# Altium PCB Mainboard_V1.0.PcbDoc (part 1 of 4) (continued)
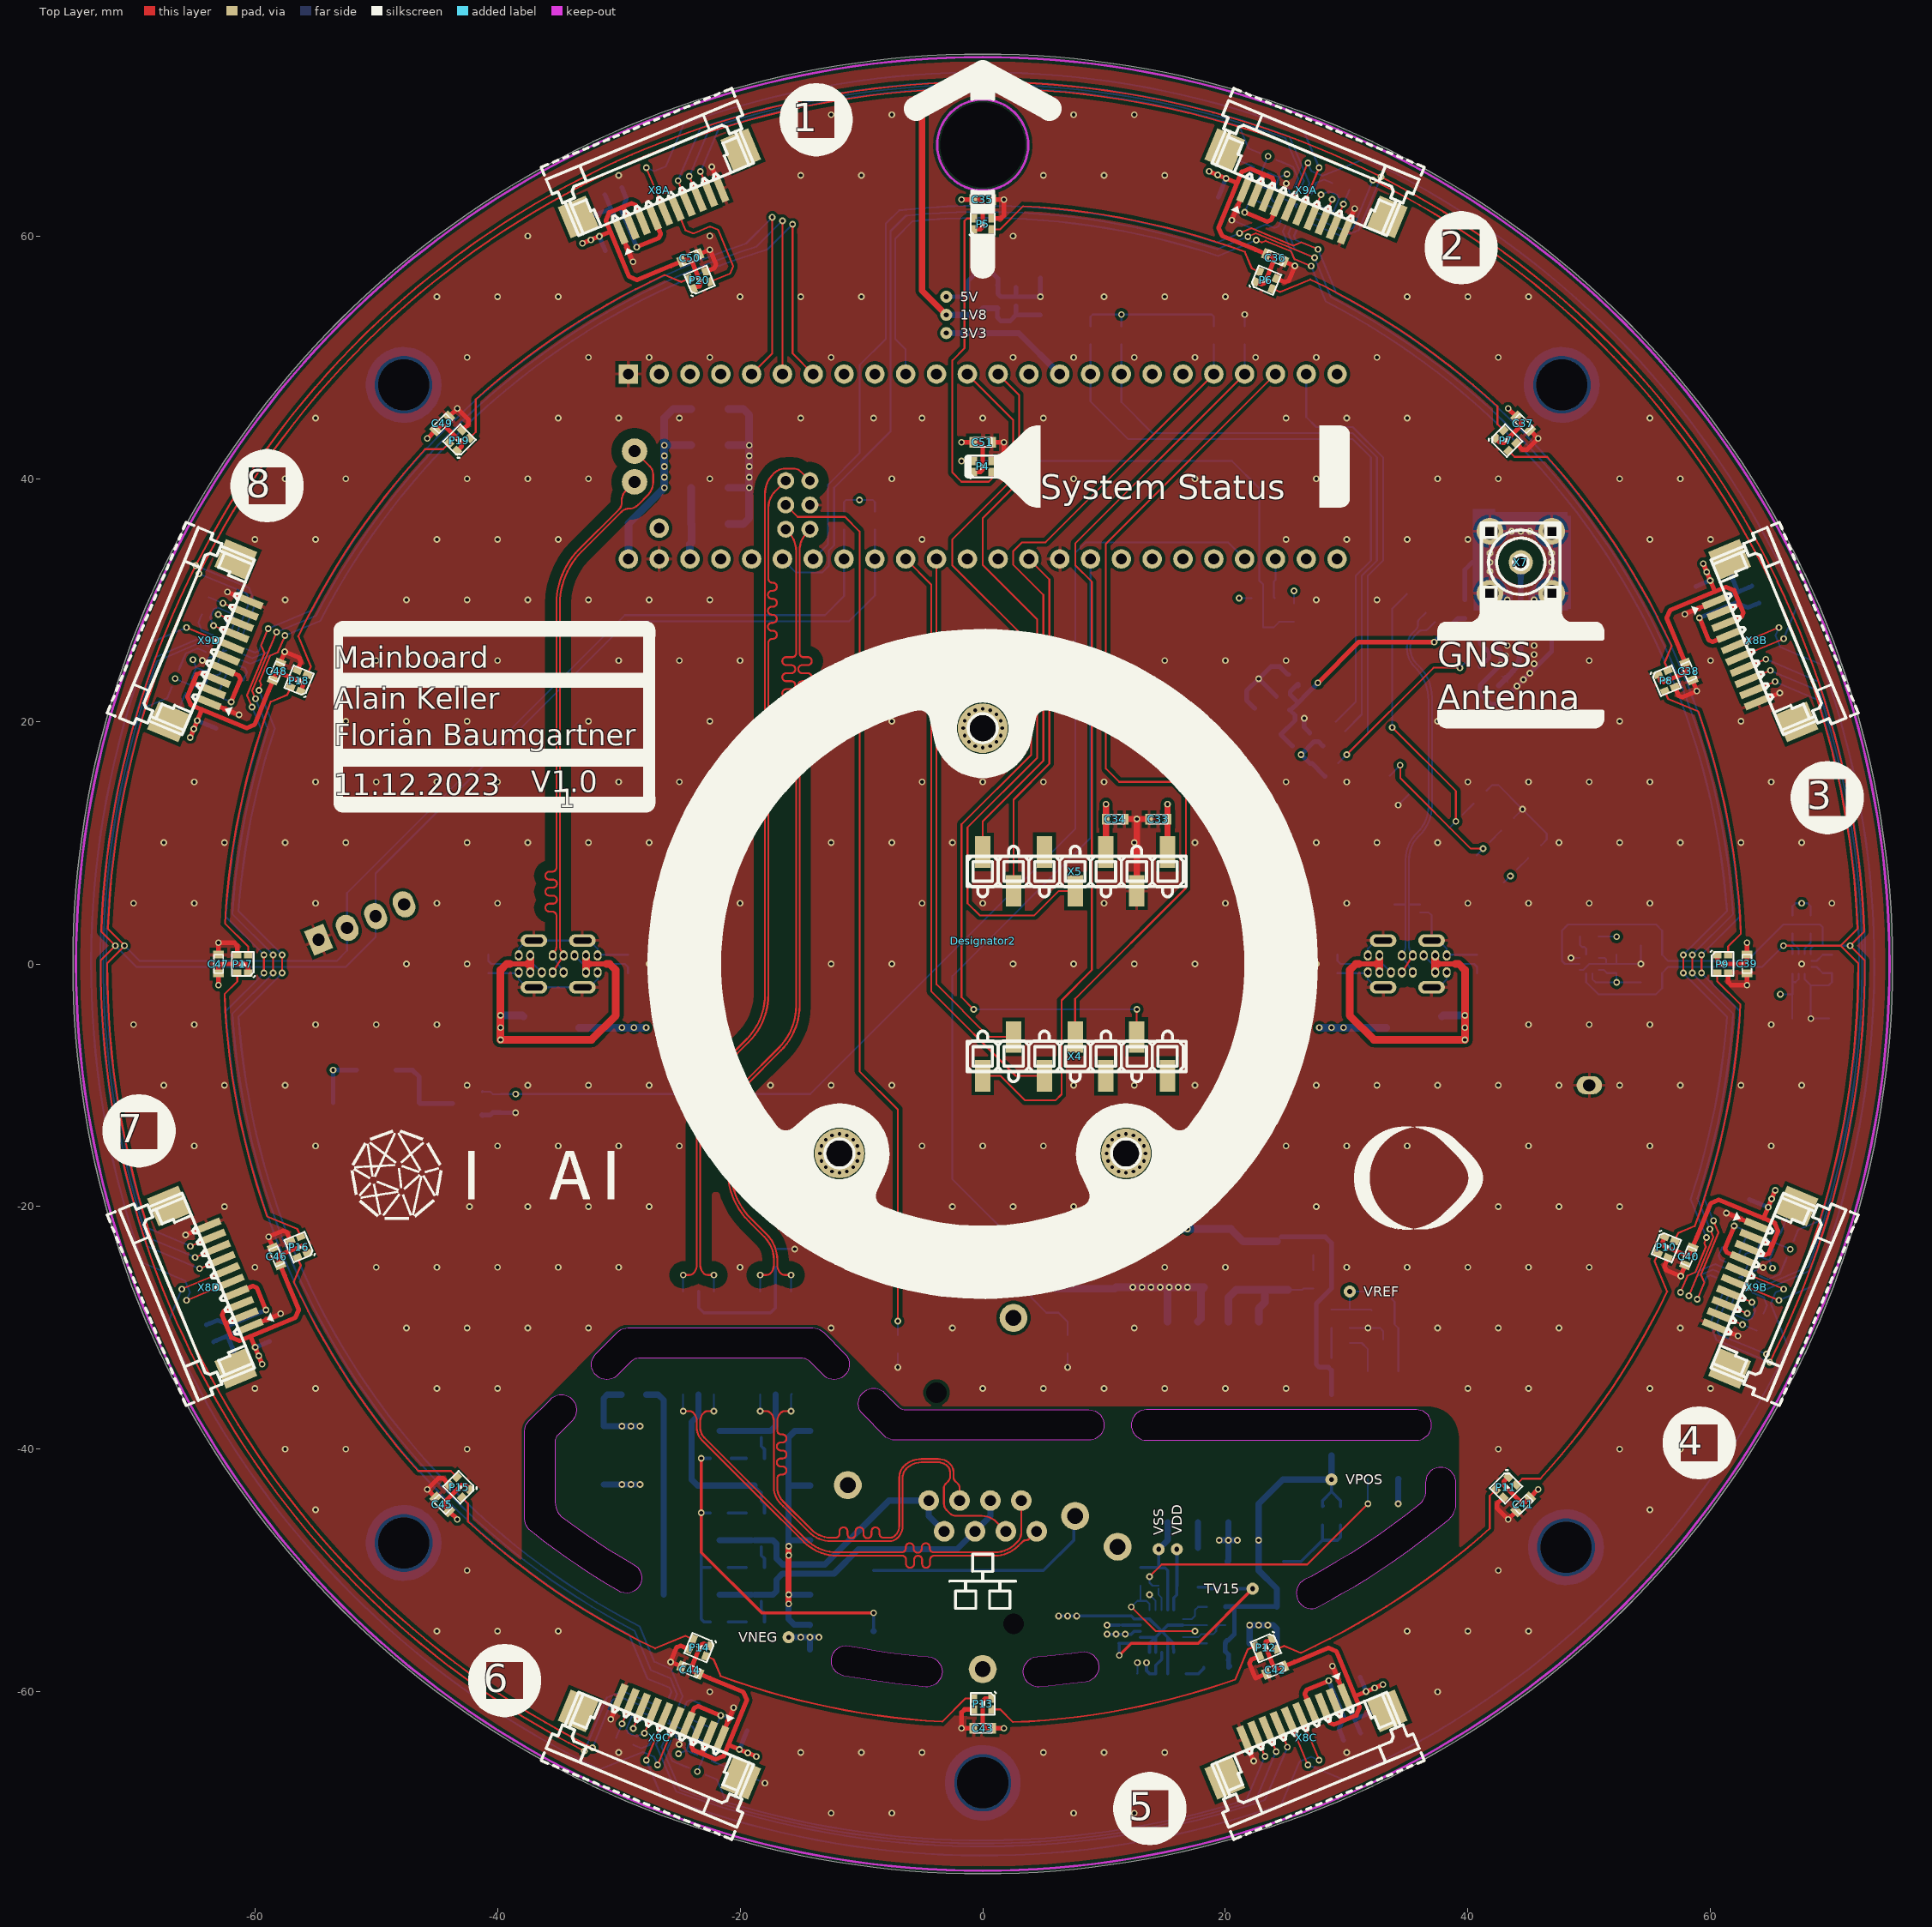
[diagram p0: Top Layer view]
## Design rules (kind name [scope] priority, off if disabled: settings)
Clearance Clearance_Antenna [InNet('NetL4_2') vs InPoly] p1: gap=0.42 ignorepadtopadclearanceinfootprint=FALSE
Clearance "Stitching GND" [IsStitchingVia and InNet('GND') vs (IsVia and (Not IsStitchingVia)) Or IsPad] p2: gap=0.127 ignorepadtopadclearanceinfootprint=FALSE
Clearance Clearance_Poly_GND_DiffPair [InPolygon and (InNet('GND') OR InNet('3V3') OR InNet('5V') OR InNet('1V8')) vs InAnyDifferentialPair] p3: gap=0.838 ignorepadtopadclearanceinfootprint=FALSE
Clearance Clearance_Poly_GND_Top [InPolygon and InNet('GND') vs OnLayer('Top Layer')] p4: gap=0.305 ignorepadtopadclearanceinfootprint=FALSE
Clearance Clearance_Poly_GND_Bottom [InPolygon and InNet('GND') vs OnLayer('Bottom Layer')] p5: gap=0.305 ignorepadtopadclearanceinfootprint=FALSE
Clearance Clearance_Poly [InPolygon vs Not InNet('GND')] p6: gap=0.254 ignorepadtopadclearanceinfootprint=FALSE
Clearance Clearance_Via [isvia AND (AsMM(HoleDiameter) = 0.2) vs isvia AND (AsMM(HoleDiameter) = 0.2)] p7: gap=0.249 ignorepadtopadclearanceinfootprint=FALSE
Clearance [All] p8: gap=0.089 ignorepadtopadclearanceinfootprint=FALSE except(0.127: SMDPad-SMDPad)
ComponentClearance Component_Display [(Identifier = 'Spacer') OR (Identifier = 'Baseplate') OR (Identifier = 'Angle-Sensor_V1.0')] p1: gap=0 collisioncheckmode=3 verticalgap=0 showdistances=FALSE
ComponentClearance Component_Connectors [(Footprint = 'SMD Connector (SM04B-SRSS-TB)')] p2: gap=0 collisioncheckmode=3 verticalgap=0 showdistances=FALSE
ComponentClearance [All] p3: gap=0 collisioncheckmode=3 verticalgap=0.04 showdistances=TRUE
DiffPairsRouting [All] p1: maxlimit=2.54 minlimit=0.089 mostfreqgap=0.127 toplayer_minwidth=0.127 toplayer_maxwidth=0.381 toplayer_prefwidth=0.127 midlayer1_minwidth=0.127 midlayer1_maxwidth=0.381 midlayer1_prefwidth=0.127 midlayer2_minwidth=0.127 midlayer2_maxwidth=0.381 midlayer2_prefwidth=0.127 bottomlayer_minwidth=0.127 bottomlayer_maxwidth=0.381 bottomlayer_prefwidth=0.127 maxuncoupledlength=12.7
Height [All] p1: minheight=0 maxheight=150 prefheight=2
HoleSize [All] p1: absolutevalues=TRUE maxlimit=20.32 minlimit=0.2 maxpercent=80.000 minpercent=20.000
HoleToHoleClearance [InDrillLayerPair('Top Layer - Bottom Layer')] p1: gap=0.5 allowstackedmicrovias=FALSE
MinimumAnnularRing [All] p1: minimumring=0.089
MinimumSolderMaskSliver [All] p1: minsoldermaskwidth=0
PlaneConnect [All] p1: pad.planeconnectstyle=Relief pad.reliefexpansion=0.508 pad.reliefentries=4 pad.reliefconductorwidth=0.254 pad.reliefairgap=0.254 via.planeconnectstyle=Direct via.reliefexpansion=0.508 via.reliefentries=4 via.reliefconductorwidth=0.254 via.reliefairgap=0.254
PolygonConnect [All] p1: thpad.connectstyle=Relief thpad.reliefconductorwidth=0.254 thpad.reliefentries=4 thpad.polygonreliefangle="90 Angle" thpad.airgapwidth=0.254 smdpad.connectstyle=Relief smdpad.reliefconductorwidth=0.254 smdpad.reliefentries=4 smdpad.polygonreliefangle="90 Angle" smdpad.airgapwidth=0.254 via.connectstyle=Direct via.reliefconductorwidth=0.254 via.reliefentries=4 via.polygonreliefangle="90 Angle" via.airgapwidth=0.254
RoutingVias [All] p1: holewidth=0.3 width=0.62 viastyle="Through Hole" minholewidth=0.2 minwidth=0.44 maxholewidth=0.8 maxwidth=1.1
SilkToSilkClearance [All] p1: silktosilkclearance=0
SilkToSolderMaskClearance [IsPad] p1: minsilkscreentomaskgap=0 clearancetoexposedcopper=TRUE
SolderMaskExpansion [All] p1: expansion=0.102 istentingtop=FALSE
Width [Not InNet('No Net')] p1: maxlimit=4 minlimit=0.089 preferedwidth=0.254
Width Logos [All] p2: maxlimit=0.254 minlimit=0.003 preferedwidth=0.003
21 further rules are at their usual default settings.

## Classes and differential pairs
channel class Mainboard_V1.0_Input: "PDM-Microphone Input1" "PDM-Microphone Input2" "PDM-Microphone Input3" "PDM-Microphone Input4"
net class ETH_ISO: EGND NetC9_2 NetC10_M NetC14_2 NetC19_2 NetC20_1 NetC20_2 NetC21_1 NetC21_2 NetC22_1 NetC22_2 NetC23_1 NetC23_2 NetC24_1 NetC25_2 NetC27_2 NetD3_A NetD4_K NetD8_A NetD8_K NetD9_A NetK1_4 NetL2_2 NetR9_2 NetR10_2 NetR21_1 NetR22_1 RX_N RX_P TX_N TX_P
component class Sensors: C28 C29 C30 C31 C32 R24 R25 R26 R27 R28 U4 U5 X3
component class MCU: C1 C2 C3 C4 C5 C6 C7 D1 R3 R4 TP1 TP2 TP3 TP4 U1 U2 X1
component class Mainboard_V1.0: M1 M2 M3 M4 M5 R1 R2
component class HMI: C33 C34 C35 C36 C37 C38 C39 C40 C41 C42 C43 C44 C45 C46 C47 C48 C49 C50 C51 D14 K2 K3 P4 P5 P6 P7 P8 P9 P10 P11 P12 P13 P14 P15 P16 P17 P18 P19 P20 Q1 R29 R30 R31 R32 X4 X5
component class GPS: C52 C53 C54 C55 C56 D15 D16 L3 L4 P21 P22 R33 R34 R35 R36 R37 R38 R39 R40 U6 X6 X7
component class "Ethernet (PoE)": C8 C9 C10 C11 C12 C13 C14 C15 C16 C17 C18 C19 C20 C21 C22 C23 C24 C25 C26 C27 D2 D3 D4 D5 D6 D7 D8 D9 D10 D11 D12 D13 K1 L1 L2 P1 P2 P3 R5 R6 R7 R8 R9 R10 R11 R12 R13 R14 R15 R16 R17 R18 R19 R20 R21 R22 R23 T1 T2 TP5 TP6 TP7 TP8 TP9 TP10 U3 X2
component class "PDM-Microphone Input4": C57D C58D C59D C60D C61D C62D R41D R42D U7D X8D X9D
component class "PDM-Microphone Input3": C57C C58C C59C C60C C61C C62C R41C R42C U7C X8C X9C
component class "PDM-Microphone Input2": C57B C58B C59B C60B C61B C62B R41B R42B U7B X8B X9B
component class "PDM-Microphone Input1": C57A C58A C59A C60A C61A C62A R41A R42A U7A X8A X9A
differential pair GPS_USB_D: +GPS_USB_D_P -GPS_USB_D_N
differential pair TX: +TX_P -TX_N
differential pair RX: +RX_P -RX_N
differential pair ETH_TX: +ETH_TX_P -ETH_TX_N
differential pair ETH_RX: +ETH_RX_P -ETH_RX_N
differential pair USB_D: +USB_D_P -USB_D_N

## Components (designator, comment, footprint, x,y, rotation, side; value= is the part's Value field where it differs from the comment)
C1 "100nF" "SMD Keramikkondensator 0603" 0,57.75 r180 bottom
C2 "100nF" "SMD Keramikkondensator 0603" 2.75,55 r270 bottom
C3 "10µF" "SMD Keramikkondensator 1206" 4.75,55 r270 bottom
C4 "100µF" "SMD Tantalkondensator 1210 +" -22.5,39.25 r0 bottom
C5 "10µF" "SMD Keramikkondensator 1206" -22.5,36.25 r180 bottom
C6 "100µF" "SMD Tantalkondensator 1210 +" -22.5,42.75 r0 bottom
C7 "10µF" "SMD Keramikkondensator 1206" -22.5,45.75 r180 bottom
C8 "100nF" "SMD Keramikkondensator 0603" -17,-24.25 r90 bottom
C9 "1nF" "SMD KERAMIKKONDENSATOR 1808" 28.75,-38 r270 bottom
C10 "22µF" "SMD Elko 6.3x7.7" -31.25,-40.5 r270 bottom
C11 "1µF" "SMD Keramikkondensator 1206" 22,-54.5 r90 bottom
C12 "1µF" "SMD Keramikkondensator 1206" 24.25,-54.5 r90 bottom
C13 "10nF" "SMD Keramikkondensator 0603" 13.5,-58.5 r180 bottom
C14 "10nF" "SMD Keramikkondensator 0603" 28,-45.5 r270 bottom
C15 "1.5nF" "SMD Keramikkondensator 0603" 27.25,-26 r270 bottom
C16 "470µF" "SMD Elko 6.3x7.7" 18.25,-24.25 r270 bottom
C17 "470µF" "SMD Elko 6.3x7.7" 11,-24.25 r270 bottom
C18 "10µF" "SMD Keramikkondensator 1206" 6,-25.25 r90 bottom
C19 "100nF" "SMD Keramikkondensator 0805" 19.25,-58 r180 bottom
C20 "22nF" "SMD Keramikkondensator 0603" -18.75,-49.75 r180 bottom
C21 "22nF" "SMD Keramikkondensator 0603" -18.75,-54.25 r180 bottom
C22 "22nF" "SMD Keramikkondensator 0603" -18.75,-45.25 r180 bottom
C23 "22nF" "SMD Keramikkondensator 0603" -18.75,-40.75 r180 bottom
C24 "100nF" "SMD Keramikkondensator 0603" 15.25,-49.75 r180 bottom
C25 "1µF" "SMD Keramikkondensator 0603" 11.25,-55.25 r270 bottom
C26 "1.5nF" "SMD Keramikkondensator 0603" 33,-27 r0 bottom
C27 "1nF" "SMD KERAMIKKONDENSATOR 1808" -9,-52.5 r270 bottom
C28 "10µF" "SMD Keramikkondensator 1206" 54.25,0 r270 bottom
C29 "100nF" "SMD Keramikkondensator 0603" 52.25,0 r270 bottom
C30 "10µF" "SMD Keramikkondensator 1206" 68.25,-4.5 r180 bottom
C31 "100nF" "SMD Keramikkondensator 0603" 67.5,-2.5 r180 bottom
C32 "220nF" "SMD Keramikkondensator 0603" 70,0 r90 bottom
C33 "1µF" "SMD Keramikkondensator 0603" 14.478,11.938 r0 top
C34 "1µF" "SMD Keramikkondensator 0603" 10.922,11.938 r180 top
C35 "1µF" "SMD Keramikkondensator 0603" 0,63 r180 top
C36 "1µF" "SMD Keramikkondensator 0603" 24.109,58.204 r157.5 top
C37 "1µF" "SMD Keramikkondensator 0603" 44.548,44.548 r135 top
C38 "1µF" "SMD Keramikkondensator 0603" 58.204,24.109 r112.5 top
C39 "1µF" "SMD Keramikkondensator 0603" 63,0 r90 top
C40 "1µF" "SMD Keramikkondensator 0603" 58.204,-24.109 r67.5 top
C41 "1µF" "SMD Keramikkondensator 0603" 44.548,-44.548 r45 top
C42 "1µF" "SMD Keramikkondensator 0603" 24.109,-58.204 r22.5 top
C43 "1µF" "SMD Keramikkondensator 0603" 0,-63 r0 top
C44 "1µF" "SMD Keramikkondensator 0603" -24.109,-58.204 r337.5 top
C45 "1µF" "SMD Keramikkondensator 0603" -44.548,-44.548 r315 top
C46 "1µF" "SMD Keramikkondensator 0603" -58.204,-24.109 r292.5 top
C47 "1µF" "SMD Keramikkondensator 0603" -63,0 r270 top
C48 "1µF" "SMD Keramikkondensator 0603" -58.204,24.109 r247.5 top
C49 "1µF" "SMD Keramikkondensator 0603" -44.548,44.548 r225 top
C50 "1µF" "SMD Keramikkondensator 0603" -24.109,58.204 r202.5 top
C51 "1µF" "SMD Keramikkondensator 0603" 0,43 r180 top
C52 "100nF" "SMD Keramikkondensator 0603" 27.5,18.5 r135 bottom
C53 "10µF" "SMD Keramikkondensator 1206" 23.5,20 r315 bottom
C54 "1µF" "SMD Keramikkondensator 0603" 39.75,29.25 r270 bottom
C55 "100nF" "SMD Keramikkondensator 0603" 24.75,21.5 r135 bottom
C56 "47pF" "SMD Keramikkondensator 0603" 42.25,27.75 r270 bottom
C57A "100nF" "SMD Keramikkondensator 0603" 22.08,63.104 r337.5 bottom (schematic designator C57)
C57B "100nF" "SMD Keramikkondensator 0603" 63.104,-22.08 r247.5 bottom (schematic designator C57)
C57C "100nF" "SMD Keramikkondensator 0603" -22.08,-63.104 r157.5 bottom (schematic designator C57)
C57D "100nF" "SMD Keramikkondensator 0603" -63.104,22.08 r67.5 bottom (schematic designator C57)
C58A "100nF" "SMD Keramikkondensator 0603" 22.558,64.259 r337.5 bottom (schematic designator C58)
C58B "100nF" "SMD Keramikkondensator 0603" 64.259,-22.558 r247.5 bottom (schematic designator C58)
C58C "100nF" "SMD Keramikkondensator 0603" -22.558,-64.257 r157.5 bottom (schematic designator C58)
C58D "100nF" "SMD Keramikkondensator 0603" -64.259,22.558 r67.5 bottom (schematic designator C58)
C59A "1µF" "SMD Keramikkondensator 0603" -30.444,63.698 r22.5 bottom (schematic designator C59)
C59B "1µF" "SMD Keramikkondensator 0603" 63.698,30.444 r292.5 bottom (schematic designator C59)
C59C "1µF" "SMD Keramikkondensator 0603" 30.443,-63.698 r202.5 bottom (schematic designator C59)
C59D "1µF" "SMD Keramikkondensator 0603" -63.698,-30.444 r112.5 bottom (schematic designator C59)
C60A "10µF" "SMD Keramikkondensator 1206" -31.701,60.201 r292.5 bottom (schematic designator C60)
C60B "10µF" "SMD Keramikkondensator 1206" 60.201,31.701 r202.5 bottom (schematic designator C60)
C60C "10µF" "SMD Keramikkondensator 1206" 31.701,-60.201 r112.5 bottom (schematic designator C60)
C60D "10µF" "SMD Keramikkondensator 1206" -60.201,-31.701 r22.5 bottom (schematic designator C60)
C61A "1µF" "SMD Keramikkondensator 0603" 23.036,65.414 r337.5 bottom (schematic designator C61)
C61B "1µF" "SMD Keramikkondensator 0603" 65.414,-23.036 r247.5 bottom (schematic designator C61)
C61C "1µF" "SMD Keramikkondensator 0603" -23.037,-65.412 r157.5 bottom (schematic designator C61)
C61D "1µF" "SMD Keramikkondensator 0603" -65.414,23.036 r67.5 bottom (schematic designator C61)
C62A "10µF" "SMD Keramikkondensator 1206" 20.153,64.985 r247.5 bottom (schematic designator C62)
C62B "10µF" "SMD Keramikkondensator 1206" 64.985,-20.153 r157.5 bottom (schematic designator C62)
C62C "10µF" "SMD Keramikkondensator 1206" -20.153,-64.983 r67.5 bottom (schematic designator C62)
C62D "10µF" "SMD Keramikkondensator 1206" -64.985,20.153 r337.5 bottom (schematic designator C62)
D1 "SDT10A45P5" "SMD Diode PowerDI-5" -35,-5.25 r0 bottom
D2 "SDT10A45P5" "SMD Diode PowerDI-5" 24.25,-24 r90 bottom
D3 "S1B-13-F" "SMD Diode DO-214-AC" 22.5,-49.25 r180 bottom
D4 "S1B-13-F" "SMD Diode DO-214-AC" -24,-38.5 r0 bottom
D5 "S1B-13-F" "SMD Diode DO-214-AC" -24,-43 r0 bottom
D6 "S1B-13-F" "SMD Diode DO-214-AC" -24,-52 r0 bottom
D7 "S1B-13-F" "SMD Diode DO-214-AC" -24,-47.5 r0 bottom
D8 "1N4148" "SMD Diode SOD-123" 17.75,-49.75 r90 bottom
D9 "S1B-13-F" "SMD Diode DO-214-AC" -16.5,-38.5 r0 bottom
D10 "S1B-13-F" "SMD Diode DO-214-AC" -16.5,-43 r0 bottom
D11 "S1B-13-F" "SMD Diode DO-214-AC" -16.5,-52 r0 bottom
D12 "S1B-13-F" "SMD Diode DO-214-AC" -16.5,-47.5 r0 bottom
D13 "TLV431" "SMD IC SOT-23-3" 33,-29.75 r270 bottom
D14 "B5819W" "SMD Diode SOD-123" -50,-8.75 r0 bottom
D15 "SDT10A45P5" "SMD Diode PowerDI-5" 35,-5.25 r180 bottom
D16 "PD4E1U06" "SMD IC SOT-363 (SC-70-6)" 35,4.25 r0 bottom
Designator2 "Comment" "MEC Display Module (Seeed Studio 105481)" 0,0 r0 top locked
K1 "FOD817ASD" "SMD IC DIP-4" 33,-38 r270 bottom
K2 "AO3400A" "SMD MOSFET SOT-23" -42.5,-11.5 r180 bottom
K3 "2N7002" "SMD MOSFET SOT-23" 23.114,28.956 r270 bottom
L1 "600" "SMD INDUCTOR/FERRITE 0805" -28.75,-35.5 r180 bottom
L2 "600" "SMD INDUCTOR/FERRITE 0805" -14.25,-55.5 r270 bottom
L3 "600" "SMD INDUCTOR/FERRITE 0805" 26.25,17.25 r135 bottom
L4 "27nH" "SMD Inductor 0402" 43.875,28.5 r0 bottom
M1 "SMTSO-M3-3ET" "SMD Solder-Nut (M3 4mm)" 47.73,47.73 r135 bottom locked
M2 "SMTSO-M3-3ET" "SMD Solder-Nut (M3 4mm)" -47.73,47.73 r225 bottom locked
M3 "SMTSO-M3-3ET" "SMD Solder-Nut (M3 4mm)" -47.73,-47.73 r315 bottom locked
M4 "SMTSO-M3-3ET" "SMD Solder-Nut (M3 4mm)" 0,-67.5 r0 bottom locked
M5 "SMTSO-M3-3ET" "SMD Solder-Nut (M3 4mm)" 48.083,-48.083 r45 bottom locked
P1 "Green" "SMD LED 0603" -7,-31.35 r270 bottom
P2 "Yellow" "SMD LED 0603" 7,-31.35 r270 bottom
P3 "Green" "SMD LED 0603" 45.5,9.25 r45 bottom
P4 "WS2812" "SMD LED WS2812B-0807" 0,41 r180 top
P5 "WS2812" "SMD LED WS2812B-0807" 0,61 r180 top
P6 "WS2812" "SMD LED WS2812B-0807" 23.344,56.357 r157.5 top
P7 "WS2812" "SMD LED WS2812B-0807" 43.134,43.134 r135 top
P8 "WS2812" "SMD LED WS2812B-0807" 56.357,23.344 r112.5 top
P9 "WS2812" "SMD LED WS2812B-0807" 61,0 r90 top
P10 "WS2812" "SMD LED WS2812B-0807" 56.357,-23.344 r67.5 top
P11 "WS2812" "SMD LED WS2812B-0807" 43.134,-43.134 r45 top
P12 "WS2812" "SMD LED WS2812B-0807" 23.344,-56.357 r22.5 top
P13 "WS2812" "SMD LED WS2812B-0807" 0,-61 r0 top
P14 "WS2812" "SMD LED WS2812B-0807" -23.344,-56.357 r337.5 top
P15 "WS2812" "SMD LED WS2812B-0807" -43.134,-43.134 r315 top
P16 "WS2812" "SMD LED WS2812B-0807" -56.357,-23.344 r292.5 top
P17 "WS2812" "SMD LED WS2812B-0807" -61,0 r270 top
P18 "WS2812" "SMD LED WS2812B-0807" -56.357,23.344 r247.5 top
P19 "WS2812" "SMD LED WS2812B-0807" -43.134,43.134 r225 top
P20 "WS2812" "SMD LED WS2812B-0807" -23.344,56.357 r202.5 top
P21 "Red" "SMD LED 0603" 41,13.75 r45 bottom
P22 "Yellow" "SMD LED 0603" 43.25,11.5 r45 bottom
Q1 "MLT-8530" "SMD Buzzer (MLT-8530)" -50,-15 r270 bottom
R1 "47k" "SMD Widerstand 0603" 61.949,-21.601 r247.5 bottom
R2 "47k" "SMD Widerstand 0603" -21.601,-61.949 r337.5 bottom
R3 "5.1k" "SMD Widerstand 0603" -40.75,0 r270 bottom
R4 "5.1k" "SMD Widerstand 0603" -29.25,0 r90 bottom
R5 "270" "SMD Widerstand 0603" 4,-26 r270 bottom
R6 "82k" "SMD Widerstand 0603" 29.5,-45.5 r270 bottom
R7 "8.2" "SMD Widerstand 0603" 27.25,-23.25 r270 bottom
R8 "1k" "SMD Widerstand 0603" 43.5,7.25 r225 bottom
R9 "88.7k" "SMD Widerstand 0603" 19.25,-56 r180 bottom
R10 "24.3k" "SMD Widerstand 0603" 19.25,-53 r180 bottom
R11 "10" "SMD Widerstand 0603" 28.75,-33.25 r90 bottom
R12 "10" "SMD Widerstand 0603" 20.25,-51.5 r0 bottom
R13 "4.7k" "SMD Widerstand 0603" 15.25,-51.25 r0 bottom
R14 "36.5k" "SMD Widerstand 0603" 28.75,-29.25 r90 bottom
R15 "750" "SMD Widerstand 0603" 29.5,-31.25 r180 bottom
R16 "75" "SMD Widerstand 0603" -21.5,-49.75 r180 bottom
R17 "75" "SMD Widerstand 0603" -21.5,-54.25 r180 bottom
R18 "75" "SMD Widerstand 0603" -21.5,-45.25 r180 bottom
R19 "75" "SMD Widerstand 0603" -21.5,-40.75 r180 bottom
R20 "3" "SMD Widerstand 0603" 16,-58.5 r180 bottom
R21 "48.7" "SMD Widerstand 0603" 19.25,-54.5 r180 bottom
R22 "0.62" "SMD Widerstand 0603" 13,-50.5 r90 bottom
R23 "12.1k" "SMD Widerstand 0603" 30.25,-29.25 r270 bottom
R24 "5.1k" "SMD Widerstand 0603" -8.89,36.534 r270 bottom
R25 "5.1k" "SMD Widerstand 0603" -11.43,36.534 r270 bottom
R26 "10k" "SMD Widerstand 0603" 50,2.25 r0 bottom
R27 "10k" "SMD Widerstand 0603" 66.75,3.25 r90 bottom
R28 "10k" "SMD Widerstand 0603" 68.25,3.25 r90 bottom
R29 "10k" "SMD Widerstand 0603" 19.05,51.816 r90 bottom
R30 "1k" "SMD Widerstand 0603" 21.59,51.816 r270 bottom
R31 "10k" "SMD Widerstand 0603" -39.75,-11.5 r90 bottom
R32 "10k" "SMD Widerstand 0603" 25.654,28.956 r90 bottom
R33 "10" "SMD Widerstand 0603" 41,27.75 r90 bottom
R34 "5.1k" "SMD Widerstand 0603" 40.75,0 r90 bottom
R35 "5.1k" "SMD Widerstand 0603" 29.25,0 r270 bottom
R36 "1k" "SMD Widerstand 0603" 41.25,9.5 r225 bottom
R37 "1k" "SMD Widerstand 0603" 39,11.75 r225 bottom
R38 "10k" "SMD Widerstand 0603" 28.75,16 r225 bottom
R39 "5.1k" "SMD Widerstand 0603" 8.89,51.816 r270 bottom
R40 "5.1k" "SMD Widerstand 0603" 11.43,51.816 r270 bottom
R41A "10" "SMD Widerstand 0603" 23.515,66.569 r157.5 bottom (schematic designator R41)
R41B "10" "SMD Widerstand 0603" 66.569,-23.515 r67.5 bottom (schematic designator R41)
R41C "10" "SMD Widerstand 0603" -23.515,-66.569 r337.5 bottom (schematic designator R41)
R41D "10" "SMD Widerstand 0603" -66.569,23.515 r247.5 bottom (schematic designator R41)
R42A "10" "SMD Widerstand 0603" 29.52,64.081 r337.5 bottom (schematic designator R42)
R42B "10" "SMD Widerstand 0603" 64.081,-29.52 r247.5 bottom (schematic designator R42)
R42C "10" "SMD Widerstand 0603" -29.52,-64.081 r157.5 bottom (schematic designator R42)
R42D "10" "SMD Widerstand 0603" -64.081,29.52 r67.5 bottom (schematic designator R42)
T1 "B1608S" "SMD Transformer 500x375" -20.25,-31.25 r0 bottom locked
T2 "749119950" "SMD Transformer 749119950" 20.25,-37.75 r0 bottom
TP1 "X-TP" "THT Testpunkt Ø1mm" -3,53.5 r90 bottom
TP2 "X-TP" "THT Testpunkt Ø1mm" -3,55 r90 bottom
TP3 "X-TP" "THT Testpunkt Ø1mm" -3,52 r90 bottom
TP4 "Schwarz" "THT Messpunkt Ø2.54mm Schwarz" 50,-10 r0 bottom
TP5 "X-TP" "THT Testpunkt Ø1mm" 28.75,-42.5 r90 bottom
TP6 "X-TP" "THT Testpunkt Ø1mm" 22.25,-51.5 r90 bottom
TP7 "X-TP" "THT Testpunkt Ø1mm" 16,-48.25 r90 bottom
TP8 "X-TP" "THT Testpunkt Ø1mm" 14.5,-48.25 r90 bottom
TP9 "X-TP" "THT Testpunkt Ø1mm" -16,-55.5 r90 bottom
TP10 "X-TP" "THT Testpunkt Ø1mm" 30.25,-27 r180 bottom
U1 "MCP1700T-1802" "SMD IC SOT-23-3" 0,55 r180 bottom
U2 "Teensy 4.1" "THT Teensy 4.1" -30.48,41 r270 bottom locked
U3 "SI3404-A-GMR" "SMD IC QFN-20" 14.75,-55 r270 bottom
U4 "BMP388" "SMD IC LGA-10" 50,0 r0 bottom
U5 "LSM303AGRTR" "SMD IC LGA-12" 67.5,0 r270 bottom
U6 "NEO-M8P-2" "SMD NEO-M8P-2" 34.26,23.01 r225 bottom locked
U7A "ADAU7118" "SMD IC QFN-16" 25.831,62.362 r247.5 bottom (schematic designator U7)
U7B "ADAU7118" "SMD IC QFN-16" 62.362,-25.831 r157.5 bottom (schematic designator U7)
U7C "ADAU7118" "SMD IC QFN-16" -25.831,-62.36 r67.5 bottom (schematic designator U7)
U7D "ADAU7118" "SMD IC QFN-16" -62.362,25.831 r337.5 bottom (schematic designator U7)
X1 "USB 2.0 Type-C" "THT USB-C Socket (KH-TYPE-C-L10-14P)" -35,0 r180 bottom
X2 "NE8FBV-C5-LED1-S" "THT CONNECTOR NE8FBV-C5-LED1-S" 0,-45.5 r180 bottom locked
X3 "SSW-104-01-F-S" "THT Buchsenleiste 4-Pol (1x4)" -51.222,3.457 r22.5 bottom locked
X4 "54201-G0807LF" "SMD PIN-HEADER 1X7" 7.62,-7.62 r180 top locked
X5 "54201-G0807LF" "SMD PIN-HEADER 1X7" 7.62,7.62 r0 top locked
X6 "USB 2.0 Type-C" "THT USB-C Socket (KH-TYPE-C-L10-14P)" 35,0 r0 bottom
X7 "BWSMA-KE-Z001" "THT SMA-Connector (Vertical)" 44.355,33.105 r0 top
X8A "AFA07-S10FCC-00" "SMD Connector (AFA07-S10FCC-00)" -28.127,67.905 r202.5 top locked (schematic designator X8)
X8B "AFA07-S10FCC-00" "SMD Connector (AFA07-S10FCC-00)" 67.905,28.127 r112.5 top locked (schematic designator X8)
X8C "AFA07-S10FCC-00" "SMD Connector (AFA07-S10FCC-00)" 28.127,-67.905 r22.5 top locked (schematic designator X8)
X8D "AFA07-S10FCC-00" "SMD Connector (AFA07-S10FCC-00)" -67.905,-28.127 r292.5 top locked (schematic designator X8)
X9A "AFA07-S10FCC-00" "SMD Connector (AFA07-S10FCC-00)" 28.127,67.905 r157.5 top locked (schematic designator X9)
X9B "AFA07-S10FCC-00" "SMD Connector (AFA07-S10FCC-00)" 67.905,-28.127 r67.5 top locked (schematic designator X9)